# Altium PCB PCB.PcbDoc (continued)
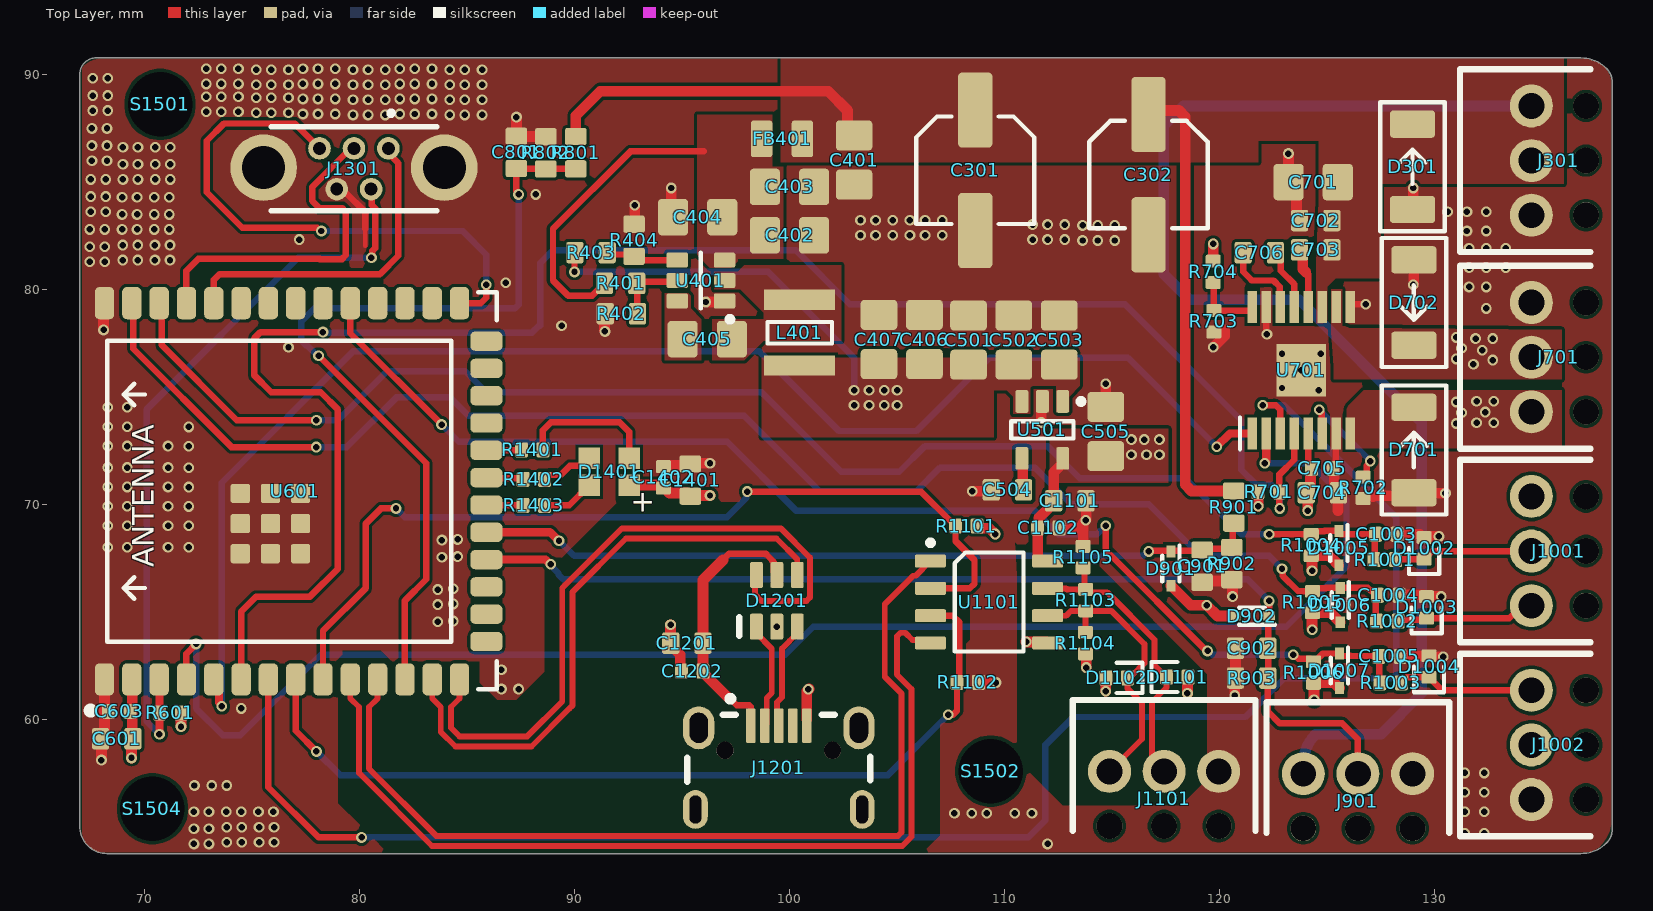
[diagram p0: Top Layer view]
## Part data
C301 C302: library part CAP_EL_NP_5MM, "Capacitor SMD Electrolytic Non-Polarised 5mm Diameter", Manufacturer=PANASONIC, Manufacturer Part Number=EEEFT1H220AR
C401 C402 C403 C406 C407 C701: library part CAP_0805, "Capacitor SMD 0805"
C404 C405: library part CAP_0805, "Capacitor SMD 0805", LCSC=C710457, Manufacturer="HUI JU", Manufacturer Part Number=NM0805B104K101CEDN, Distributor Link=www.lcsc.com
C501 C502: library part CAP_0805, "Capacitor SMD 0805", LCSC=C6119936, Manufacturer=HRE, Manufacturer Part Number=CGA0805X7R225K160MT, Distributor Link=www.lcsc.com
C503: library part CAP_0805, "Capacitor SMD 0805", LCSC=CC0805JRX7R7BB104, Manufacturer=YAGEO, Distributor Link=www.lcsc.com, Manufacturer Part Number=CC0805JRX7R7BB104
C504: library part CAP_0603, "Capacitor SMD 0603", LCSC=C519509, Manufacturer=YAGEO, Manufacturer Part Number=CC0603JRX7R7BB103, Distributor Link=www.lcsc.com
C505: library part CAP_0805, "Capacitor SMD 0805", LCSC=C2167756, Manufacturer="Murata Electronics", Manufacturer Part Number=GCM21BR71A106KE22K, Distributor Link=www.lcsc.com
C601 C704: library part CAP_0603, "Capacitor SMD 0603", LCSC=C59461, Manufacturer="Samsung Electro-Mechanics", Manufacturer Part Number=CL10A226MQ8NRNC, Distributor Link=www.lcsc.com
C603 C705: library part CAP_0402, "Capacitor SMD 0402", LCSC=C541406, Manufacturer=YAGEO, Manufacturer Part Number=CC0402KRX7R5BB104, Distributor Link=www.lcsc.com
C702 C703: library part CAP_0603, "Capacitor SMD 0603"
C706: library part CAP_0603, "Capacitor SMD 0603", LCSC=C21120, Manufacturer="Samsung Electro-Mechanics", Manufacturer Part Number=CL10A226MQ8NRNC, Distributor Link=www.lcsc.com
C801 C901 C902: library part CAP_0603, "Capacitor SMD 0603", LCSC=C696916, Manufacturer=CCTC, Manufacturer Part Number=TCC0603X7R104K101CT, Distributor Link=www.lcsc.com
C1003 C1004 C1005: library part CAP_0402, "Capacitor SMD 0402", LCSC=C189467, Manufacturer=YAGEO, Manufacturer Part Number=CC0402KRX7R7BB102, Distributor Link=www.lcsc.com
C1101 C1201 C1401: library part CAP_0603, "Capacitor SMD 0603", LCSC=C914769, Manufacturer=YAGEO, Manufacturer Part Number=CC0603KRX7R7BB225, Distributor Link=www.lcsc.com
C1102 C1202 C1402: library part CAP_0402, "Capacitor SMD 0402", LCSC=C541464, Manufacturer=YAGEO, Manufacturer Part Number=CC0402JRX7R7BB104, Distributor Link=www.lcsc.com
D301 D701 D702: library part D_SMA, "Diode SMD SMA (DO-214AA)", Manufacturer=Littelfuse, Manufacturer Part Number=SMBJ33CA
D901 D902 D1005 D1006 D1007: library part D_SCHOTTKY_SOD_523, "Diode Schottky SMD SOD-323", LCSC=C73150, Manufacturer=STMicroelectronics, Manufacturer Part Number=BAT41KFILM
D1002: library part D_TVS_0402, "Diode TVS / ESD 0402", LCSC=C711709, Manufacturer=BOURNS, Manufacturer Part Number=CG0402MLC-05LG
D1003 D1004 D1101 D1102: library part D_TVS_0402, "Diode TVS / ESD 0402"
D1201: "Low-Capacitance ESD Protection USB", Manufacturer=STMicroelectronics, Distributor Link=https://www.mouser.de/ProductDetail/STMicroelectronics/USBLC6-2SC6?qs=po45yt2pPpu%2FhNIlwQdTlg%3D%3D, Manufacturer Part Number=USBLC6-2SC6
D1401: "RGB LED Common Anode SMD Diffused 0805 Top View", Manufacturer=Wurth, Distributor Link=https://www.mouser.de/ProductDetail/Wurth-Elektronik/150080M153000?qs=5aG0NVq1C4wI5cZ2wabu5A%3D%3D, Manufacturer Part Number=150080M153000
FB401: library part FB_0805, "Ferrite Bead SMD 0805", LCSC=C88990, Manufacturer="Murata Electronics", Manufacturer Part Number=BLM21AG121SN1D, Distributor Link=www.lcsc.com
J301 J701 J901 J1001 J1002 J1101: "Screw Terminal Block 3 Positions 2.54mm", Manufacturer=Phoenix, Distributor Link=https://www.mouser.de/ProductDetail/Phoenix-Contact/1725669?qs=A%2FKWGUWTCZjmkTL0Oe91ew%3D%3D, Manufacturer Part Number=1725669
J1201: "USB Connector Type Micro B 2.0 SMD", Manufacturer=Wurth, Distributor Link=https://www.mouser.de/ProductDetail/Wurth-Elektronik/629105150521?qs=a9WhcLg8qCzXiH7kZP8GRQ%3D%3D, Manufacturer Part Number=629105150521
J1301: "USB Connectors WR-COM Type B 5Pin Vert Feml Mini"
L401: "Inductor SXN SMNR4020 Series 4x4x2mm", LCSC=C467062, Manufacturer=SXN, Manufacturer Part Number=SMNR4020-5R6MT, Distributor Link=www.lcsc.com
R401 R902 R903: library part RES_0603, "Resistor SMD 0603", LCSC=C185372, Manufacturer=YAGEO, Manufacturer Part Number=RC0603FR-07140KL, Distributor Link=www.lcsc.com
R402 R404: library part RES_0603, "Resistor SMD 0603", LCSC=C23162, Manufacturer="UNI-ROYAL(Uniroyal Elec)", Manufacturer Part Number=0603WAF4701T5E, Distributor Link=www.lcsc.com
R403: library part RES_0603, "Resistor SMD 0603", LCSC=C23198, Manufacturer="UNI-ROYAL(Uniroyal Elec)", Manufacturer Part Number=0603WAF5232T5E, Distributor Link=www.lcsc.com
R601 R701 R703 R704 R1004 R1005 R1006 R1101 R1102: library part RES_0402, "Resistor SMD 0402", LCSC=C427247, Manufacturer=PANASONIC, Manufacturer Part Number=ERJPA2F1002X, Distributor Link=www.lcsc.com
R702 R1401 R1402 R1403: library part RES_0402, "Resistor SMD 0402", LCSC=C409028, Manufacturer=PANASONIC, Manufacturer Part Number=ERJPA2F1002X, Distributor Link=www.lcsc.com
R801: library part RES_0603, "Resistor SMD 0603", LCSC=C161805, Manufacturer="Vishay Intertech", Manufacturer Part Number=MCT06030C1003FP500, Distributor Link=www.lcsc.com
R802: library part RES_0603, "Resistor SMD 0603", LCSC=C844758, Manufacturer="Vishay Intertech", Manufacturer Part Number=CRCW060322K0FKEA, Distributor Link=www.lcsc.com
R901: library part RES_0603, "Resistor SMD 0603", LCSC=C511055, Manufacturer="Vishay Intertech", Manufacturer Part Number=NTCS0603E3473FHT, Distributor Link=www.lcsc.com
R1001 R1002 R1003: library part RES_0402, "Resistor SMD 0402", LCSC=C427230, Manufacturer=PANASONIC, Manufacturer Part Number=ERJPA2F22R0X, Distributor Link=www.lcsc.com
R1103: library part RES_0402, "Resistor SMD 0402", LCSC=C412974, Manufacturer=PANASONIC, Manufacturer Part Number=ERJ2GEJ121X, Distributor Link=www.lcsc.com
R1104 R1105: library part RES_0402, "Resistor SMD 0402", LCSC=C412983, Manufacturer=PANASONIC, Manufacturer Part Number=ERJ2GEJ391X, Distributor Link=www.lcsc.com
U401: "4.2V TO 18V INPUT, 2.5A LOW IQ SYNCHRONOUS BUCK CONVERTER", Manufacturer="Diodes Incorporated", Distributor Link=https://www.mouser.de/ProductDetail/Diodes-Incorporated/AP62250WU-7?qs=7MVldsJ5Uax1PUc8sdeimQ%3D%3D, Manufacturer Part Number=AP62250WU-7
U501: "500mA +3.3V Low-Noise LDO Voltage Regulator", Manufacturer=MaxLinear, Manufacturer Part Number=SPX3819M5-L-3-3/TR
U601: "2.4 GHz Wi-Fi (802.11 b/g/n) and Bluetooth 5 (LE) Module ESP32-S3, 4MB Flash, on-board PCB antenna)", Manufacturer=Espressif, Distributor Link=https://www.mouser.de/ProductDetail/Espressif-Systems/ESP32-S3-WROOM-1-N4?qs=Li%252BoUPsLEnsO%2FkiJOUK0FQ%3D%3D, Manufacturer Part Number=ESP32-S3-WROOM-1-N4
U701: "DRV8876 H-Bridge Motor Driver With Integrated Current Sense and Regulation", LCSC=C575551, Manufacturer="Texas Instruments"
U1101: "3.3V Low Power RS-485 / RS-422 Transceiver SOIC-8", Manufacturer=MaxLinear, Manufacturer Part Number=SP3494CN-L/TR

## Via types
v1: diameter 0.5, hole 0.3, Top Layer to Bottom Layer, tented both sides, 360 vias

## Nets (pads, with @x,y where several pads share a name; then routed paths per layer and width w, separated by ;. In a path a pad name is that pad's centre, name@x,y a point inside that pad or via, vN(x,y) a via of type N, cw(c..) or ccw(c..) an arc to the next point about the centre after c; other vN are vias at no path point)
+3V3: C505.1 C601.2 C603.2 C704.2 C705.2 C1101.2 C1102.2 C1401.2 C1402.2 D901.K D902.K D1005.K D1006.K D1007.K D1401.4 J1002.2 R601.2 R701.2 R704.2 R1004.2 R1005.2 R1006.2 R1101.2 R1104.2 U501.5 U601.2 U701.5 U1101.8 | length 92.1
  Top Layer w0.3: U701.5 124.118,71.872 124.227,71.763 C705.2@124.227,71.613
  Top Layer w0.5: v1(69.4,58.2) 69.4,59.028 C601.2 69.438,59.112 69.438,61.823 U601.2 ; v1(71.7,59.654) 71.7,60.28 R601.2 ; D1401.4 93.945,70.885 94.085,70.745 C1402.2 94.185,70.745 94.412,70.518 95.236,70.518 C1401.2 95.418,70.4 v1(96.3,70.4) ; R1101.2 108.717,68.932 108.767,68.882 109.291,68.882 v1(109.567,68.605) ; U1101.8 111.587,67.352 111.537,67.402 C1102.2 111.587,68.948 111.587,69.355 112.283,70.051 C1101.2 112.283,71.478 112.704,71.899 U501.5 ; R1104.2 113.8,62.995 v1(113.8,62.4) ; D901.K 117.753,66.201 118.654,65.3 v1(119.4,65.3) 119.9,64.8 120.689,64.8 D902.K ; R704.2 v1(119.7,82.1) ; R701.2 121.8,70.553 v1(121.8,69.9) ; v1(124.1,69.7) 124.1,70.456 C704.2 124.027,70.629 124.227,70.829 C705.2@124.227,71.613 ; v1@124.3,64.2 124.3,64.924 R1005.2 125.165,64.947 125.568,64.544 125.568,64.529 125.593,64.504 D1006.K ; v1(124.3,66.9) 124.3,67.556 R1004.2 125.101,67.597 125.394,67.304 125.394,67.289 125.529,67.154 D1005.K ; v1(124.392,60.9) 124.392,61.642 R1006.2 124.398,61.7 125.311,61.7 125.557,61.454 D1007.K
  Int2 (PWR) w0.5: 81,63 81,79.75 87.25,86 118.25,86 119.7,84.55 v1(119.7,82.1)
  other v1: 124.302,64.164 115.9,72.3 116.6,72.3 117.2,72.3 115.9,73 116.5,73 117.2,73
+5V: C406.2 C407.2 C501.1 C502.1 C503.1 J1001.3 L401.2 R403.2 U501.1 U501.3 | length 17.8
  Top Layer w0.3: v1(90,80.8) 90,81.676 R403.2
  Top Layer w0.5: C503.1 C503.1@112.832,76.77
  Top Layer w0.8: C503.1 C503.1@112.759,76.697
  Bottom Layer w0.3: v1(90,80.8) 99,80.8 103,76.8 v1(103,75.3)
  other v1: 103,74.6 103.7,74.6 104.4,74.6 105,74.6 103.7,75.3 104.4,75.3 105,75.3
+5V_USB: C1201.2 C1202.2 D1201.5 J1201.1 | length 12.9
  Top Layer w0.3: 96.9,67.4 97.2,67.7 98.883,67.7 99.059,67.524 99.225,67.358 99.225,67.329 99.259,67.295 99.259,66.853 D1201.5 ; 97.2,61 97.55,60.65 98.125,60.65 98.2,60.575 J1201.1@98.2,60.287 ; J1201.1 J1201.1@98.2,60.287 ; J1201.1@98.2,60 J1201.1@98.2,60.287
  Top Layer w0.5: C1202.2@95.968,62.18 97.148,61 97.2,61 ; C1202.2 95.972,62.235 95.972,63.533 C1201.2 95.976,66.476 96.9,67.4
+VIN: C301.1 C302.1 C401.2 C701.2 C702.2 C703.2 D301.K FB401.1 J301.2 J301.3 J901.1 R801.2 R901.2 U701.11 | length 96.9
  Top Layer w0.5: R801.2 90.06,88.06 91.2,89.2 101.8,89.2 102.7,88.3 102.7,87.443 C401.2 ; C302.1@116.686,88.3 118.107,88.3 118.4,88.007 118.4,70.907 118.693,70.614 R901.2
  Top Layer w1: C701.2@125.294,84.777 C701.2
  Bottom Layer w0.5: J901.1 123.89,57.91 cw(c125.856,57.91) 124.466,59.3 127.5,59.3 129.4,61.2 129.4,61.596 129.4,73.8 123.7,79.5 118.6,79.5 117.4,80.7 117.4,87.6 118.315,88.515 J301.3
+VIN_FILT: C402.2 C403.2 C404.2 FB401.2 R401.2 U401.3 | length 13.9
  Top Layer w0.3: R401.2 91.392,80.167 91.142,79.917 91.042,79.917 90.825,79.7 89.7,79.7 89,80.4 89,82.8 92.6,86.4 96,86.4
BUCK_BOOT: C405.2 U401.6
BUCK_EN: R401.1 R402.2 U401.5 | length 3.4
  Top Layer w0.3: R402.2 92.912,78.872 92.912,80.248 R401.1 92.956,80.332 94.711,80.332 U401.5
BUCK_FB: R403.1 R404.2 U401.4 | length 3.4
  Top Layer w0.3: R403.1 91.607,81.607 92.681,81.607 92.942,81.346 U401.4
BUCK_SW: C405.1 L401.1 U401.2
GND: C301.2 C302.2 C401.1 C402.1 C403.1 C404.1 C406.1 C407.1 C501.2 C502.2 C503.2 C504.1 C505.2 C601.1 C603.1 C701.1 C702.1 C704.1 C705.1 C801.1 C901.1 C902.1 C1003.1 C1004.1 C1005.1 C1101.1 C1102.1 C1201.1 C1202.1 C1401.1 C1402.1 D301.A D701.A D702.A D1002.A D1003.A D1004.A D1101.A D1102.A D1201.2 J301.1 J701.3 J901.3 J1002.1 J1101.3 J1201.5 J1301.4 J1301.6 R402.1 R404.1 R702.1 R703.1 R802.1 R902.1 R903.1 R1102.1 R1105.1 U401.1 U501.2 U601.1 U601.40 U601.EP U701.7 U701.9 U701.15 U701.17 U1101.5 | length 56.2
  Top Layer w0.2: 80.27,82.014 80.27,82.814
  Top Layer w0.3: J1301.4 79.087,84.503 79.344,84.503 80.241,83.606 80.274,83.573 80.274,82.818 80.27,82.814 ; U701.15 122.168,77.932 v1(122.2,77.9) ; C705.1 125.397,71.783 125.397,73.268 U701.7 ; U701.9 126.068,79.225 126.143,79.3 v1(126.8,79.3)
  Top Layer w0.5: C601.1 68,59.05 v1(68,58.1) ; C601.1@67.961,59.189 68.145,59.373 U601.1 ; v1(68.1,78.1) 68.1,79.301 U601.40 ; v1(87.3,88) 87.298,87.998 C801.1 87.31,87.096 88.653,87.096 R802.1 ; v1@91.4,78.1 91.4,78.822 R402.1 ; R404.1 92.8,83.05 v1(92.8,83.9) ; C1402.1 94.185,71.795 95.313,71.795 C1401.1 95.418,71.9 v1(96.3,71.9) ; v1(94.467,64.386) 94.467,63.547 C1201.1 94.476,63.438 94.918,62.996 94.918,62.28 C1202.1 ; v1(94.5,84.7) 94.5,83.429 C404.1 ; v1(96.1,79.4) 96.93,79.4 U401.1 ; J1201.5@100.8,60 100.8,61.3 v1@100.9,61.4 ; v1(108.5,70.6) 109.317,70.6 C504.1 ; R1102.1 109.585,61.715 v1(109.6,61.7) ; v1@111,63.6 111.008,63.592 111.951,63.592 U1101.5 ; v1(111.7,73.8) 111.704,73.804 111.704,74.724 U501.2 ; C1102.1 113.398,68.898 113.4,68.9 ; R1105.1 113.653,69.131 v1(113.778,69.256) ; C1101.1 113.8,70.134 v1@113.8,69.3 ; v1(114.7,61.3) 114.7,61.904 D1102.A ; v1(114.7,75.6) 114.7,74.526 C505.2 ; v1(118.5,61.2) 118.5,61.926 D1101.A ; C901.1 119.245,66.426 120.507,66.426 R902.1 120.6,66.455 v1@120.6,65.8 ; v1(119.7,77.3) 120.234,77.834 120.234,78.094 ; v1(120.7,61.1) 120.7,61.877 R903.1 C902.1 ; v1(123.2,86.3) 123.208,86.292 C701.1 123.569,84.616 123.569,83.338 C702.1 ; C705.1 125.327,71.613 125.327,70.829 125.527,70.629 C704.1 125.5,70.502 125.5,69.7 ; 127.118,70.344 127.168,70.394 128.894,70.394 D701.A 129.064,70.5 v1(130.5,70.5) ; C1004.1@128.197,65.786 129.483,65.786 129.572,65.697 D1003.A 129.625,65.7 v1(130.3,65.7) ; C1003.1 129.305,68.6 129.458,68.447 D1002.A 129.558,68.497 v1(130.197,68.497) v1@130.2,68.5 ; C1005.1 128.41,62.934 129.723,62.934 D1004.A 129.783,62.9 v1(130.4,62.9) ; D301.A 129,83.729 v1(129,84.7) ; v1(129,80.2) 129.032,80.232 D702.A
  other v1: 72.3,54.2 73,54.2 112,54.2 73.831,54.276 74.531,54.276 75.331,54.276 76.031,54.276 131.4,54.7 132.3,54.7 72.3,54.9 73,54.9 73.831,54.976 74.531,54.976 75.331,54.976 76.031,54.976 107.669,55.624 108.469,55.624 109.169,55.624 110.469,55.624 111.269,55.624 72.3,55.7 73,55.7 73.8,55.7 74.5,55.7 75.3,55.7 76,55.7 131.4,55.7 132.3,55.7 131.4,56.6 132.3,56.6 72.327,56.916 73.127,56.916 73.827,56.916 131.4,57.5 132.3,57.5 74.5,60.5 86.6,61.4 87.4,61.4 100.867,61.386 86.6,62.3 111.004,63.596 99.409,64.303 83.637,64.529 84.361,64.56 83.637,65.329 84.361,65.36 120.6,65.7 83.637,66.029 84.361,66.06 83.837,67.529 84.561,67.56 68.3,68 69.2,68 71.1,68 72.063,67.991 83.837,68.329 84.561,68.36 72.063,68.991 68.3,69 69.2,69 71.1,69 68.3,69.9 69.2,69.9 71.1,69.9 72.063,69.891 68.3,70.8 69.2,70.8 71.1,70.8 72.063,70.791 72.063,71.691 68.3,71.7 69.2,71.7 71.1,71.7 68.3,72.7 69.2,72.7 71.1,72.7 72.063,72.691 72.063,73.591 68.3,73.6 69.2,73.6 68.3,74.5 69.2,74.5 124.6,75.3 122.9,75.4 123.793,76.227 122.9,77 124.7,77 76.7,77.3 91.414,78.032 89.4,78.3 132.4,79.1 131.6,80.1 132.4,80.1 86.8,80.3 131.6,81 132.4,81 133.3,81 67.459,81.272 68.159,81.272 68.99,81.348 69.69,81.348 70.49,81.348 71.19,81.348 131.6,81.9 132.4,81.9 133.3,81.9 67.459,81.972 68.159,81.972 68.99,82.048 69.69,82.048 70.49,82.048 71.19,82.048 113.628,82.259 114.328,82.259 115.128,82.259 77.2,82.3 111.3,82.3 112,82.3 112.8,82.3 103.3,82.5 104,82.5 104.8,82.5 105.6,82.5 106.3,82.5 107.1,82.5 131.5,82.7 132.4,82.7 67.459,82.772 68.159,82.772 68.959,82.772 69.659,82.772 70.459,82.772 71.159,82.772 113.628,82.959 114.328,82.959 115.128,82.959 111.3,83 112,83 112.8,83 103.3,83.2 104,83.2 104.8,83.2 105.6,83.2 106.3,83.2 107.1,83.2 68.959,83.472 69.659,83.472 70.459,83.472 71.159,83.472 67.5,83.6 68.2,83.6 130.6,83.6 131.5,83.6 132.4,83.6 68.959,84.272 69.659,84.272 70.459,84.272 71.159,84.272 67.5,84.3 68.2,84.3 88.2,84.4 67.5,85.1 68.2,85.1 69,85.1 69.7,85.1 70.5,85.1 71.2,85.1 69,85.8 69.7,85.8 70.5,85.8 71.2,85.8 67.559,85.972 68.259,85.972 69,86.6 69.7,86.6 70.5,86.6 71.2,86.6 67.559,86.672 68.259,86.672 67.559,87.472 68.259,87.472 79.7,88.1 80.4,88.1 81.2,88.1 84.2,88.1 84.9,88.1 85.7,88.1 77.372,88.141 78.072,88.141 78.872,88.141 81.872,88.141 82.572,88.141 83.372,88.141 75.2,88.2 75.9,88.2 76.7,88.2 72.872,88.241 73.572,88.241 74.372,88.241 67.6,88.3 68.3,88.3 79.7,88.8 80.4,88.8 81.2,88.8 84.2,88.8 84.9,88.8 85.7,88.8 77.372,88.841 78.072,88.841 78.872,88.841 81.872,88.841 82.572,88.841 83.372,88.841 75.2,88.9 75.9,88.9 76.7,88.9 72.872,88.941 73.572,88.941 74.372,88.941 67.6,89 68.3,89 75.2,89.5 75.9,89.5 76.7,89.5 79.7,89.5 80.4,89.5 81.2,89.5 84.2,89.5 84.9,89.5 85.7,89.5 72.872,89.541 73.572,89.541 74.372,89.541 77.372,89.541 78.072,89.541 78.872,89.541 81.872,89.541 82.572,89.541 83.372,89.541 67.6,89.8 68.3,89.8 75.2,90.2 75.9,90.2 76.7,90.2 79.7,90.2 80.4,90.2 81.2,90.2 84.2,90.2 84.9,90.2 85.7,90.2 72.872,90.241 73.572,90.241 74.372,90.241 77.372,90.241 78.072,90.241 78.872,90.241 81.872,90.241 82.572,90.241 83.372,90.241
HAL_A: D1002.K J1001.2 R1001.2 | length 6.5
  Top Layer w0.3: R1001.2 128.194,67.434 129.495,67.434 D1002.K 129.558,67.447 129.708,67.597 129.708,67.642 129.884,67.818 J1001.2
HAL_B: D1003.K J1001.1 R1002.2 | length 6.5
  Top Layer w0.3: R1002.2 128.373,64.627 129.73,64.627 129.8,64.697 133.471,64.697 134.052,65.278 J1001.1
HAL_C: D1004.K J1002.3 R1003.2 | length 6.5
  Top Layer w0.3: R1003.2 128.453,61.742 128.603,61.892 128.653,61.892 128.708,61.947 129.786,61.947 129.936,61.797 129.936,61.747 130.342,61.341 J1002.3
HAL_MCU_A: C1003.2 D1005.A R1001.1 R1004.1 U601.38 | length 66.3
  Top Layer w0.3: U601.38 70.8,79.231 70.8,77.4 74.3,73.9 v1(78,73.9) ; v1(122.3,68.6) 122.301,68.599 124.258,68.599 R1004.1 124.409,68.747 124.877,68.747 124.884,68.754 D1005.A ; D1005.A@125.544,68.689 125.633,68.6 C1003.2 127.213,68.567 127.213,67.453 R1001.1
  Bottom Layer w0.3: v1(78,73.9) 79,73.9 81.277,76.177 84.923,76.177 85.9,75.2 98.7,75.2 102.4,71.5 105.1,71.5 106.3,72.7 112,72.7 113.5,71.2 118.4,71.2 121,68.6 v1(122.3,68.6)
HAL_MCU_B: C1004.2 D1006.A R1002.1 R1005.1 U601.39 | length 69
  Top Layer w0.3: U601.39 69.478,79.283 69.478,77.222 74.045,72.655 v1(77.986,72.655) ; v1(122.9,67) 122.938,66.962 122.938,66.662 123.653,65.947 R1005.1 124.473,66.097 124.941,66.097 124.948,66.104 D1006.A 126.879,66.104 126.997,65.986 127.047,65.986 127.197,65.836 127.197,65.786 127.25,65.733 127.25,64.609 R1002.1
  Bottom Layer w0.3: v1(77.986,72.655) 79.415,72.655 81.721,74.961 84.227,74.961 85.087,74.1 97.9,74.1 101.4,70.6 105.9,70.6 107,71.7 111.4,71.7 113.1,70 116.7,70 119.1,67.6 122.3,67.6 v1(122.9,67)
HAL_MCU_C: C1005.2 D1007.A R1003.1 R1006.1 U601.31 | length 58
  Top Layer w0.3: U601.31 79.575,77.945 v1(83.82,73.7) ; v1(114.7,69) 114.7,67.858 119.385,63.173 v1(119.439,63.173) ; v1(123.42,63) 123.475,63 123.657,62.818 124.216,62.818 R1006.1 ; R1006.1@124.416,62.668 124.802,63.054 D1007.A ; D1007.A@125.572,62.998 125.632,62.938 126.088,62.938 ; 126.072,62.954 126.088,62.938 ; R1003.1 127.425,61.72 127.425,62.894 C1005.2 127.381,62.938 126.088,62.938
  Bottom Layer w0.3: v1(83.82,73.7) 84.62,72.9 97.1,72.9 100.3,69.7 111.4,69.7 112.5,68.6 114.3,68.6 v1(114.7,69) ; v1(119.439,63.173) 119.493,63.173 119.667,63 v1(123.42,63)
LDO_BYP: C504.2 U501.4 | length 1.5
  Top Layer w0.5: U501.4 110.842,72.085 110.842,70.702 C504.2
MCU_PROG_ENABLE: J1301.2 R601.1 U601.3 | length 34.6
  Top Layer w0.3: J1301.2 80.58,84.61 80.58,83.903 80.724,83.759 80.724,81.902 80.596,81.774 80.596,81.496 v1(80.557,81.457)
  Top Layer w0.381: U601.3 70.698,61.833 70.698,60.304 R601.1 70.706,60.286 70.706,59.306 v1(70.7,59.3)
  Bottom Layer w0.3: v1(70.7,59.3) 70.7,59.302 70.1,59.902 70.1,74.4 77.157,81.457 v1(80.557,81.457)
MCU_PROG_GPIO0: J1301.5 U601.27 | length 26
  Top Layer w0.3: J1301.5 76.99,87.7 73.7,87.7 72.9,86.9 72.9,84.5 74.55,82.85 78.028,82.85 78.178,82.7 v1(78.233,82.7) ; U601.27 85.646,79.346 85.9,79.6 v1(85.9,80.2)
  Bottom Layer w0.3: v1(78.233,82.7) 84.8,82.7 85.9,81.6 v1(85.9,80.2)
MCU_PROG_RX: J1301.1 U601.36 | length 15.3
  Top Layer w0.3: U601.36 73.225,80.425 73.5,80.7 79.6,80.7 79.604,80.696 80.95,80.696 81.8,81.546 81.8,85.86 81.343,86.316 J1301.1
MCU_PROG_TX: J1301.3 U601.37 | length 16.4
  Top Layer w0.3: U601.37 71.955,80.855 72.5,81.4 77.5,81.4 78.146,81.4 78.15,81.396 79.191,81.396 79.367,81.572 79.367,83.591 79.191,83.767 78.133,83.767 77.8,84.1 77.8,84.746 79.6,86.546 J1301.3
MCU_RGB_BLUE: R1401.1 U601.22 | length 1.7
  Top Layer w0.3: U601.22@85.925,72.521 U601.22 85.914,72.51 87.523,72.51 R1401.1
MCU_RGB_GREEN: R1402.1 U601.21 | length 1.7
  Top Layer w0.3: U601.21 85.943,71.193 87.567,71.193 R1402.1
MCU_RGB_RED: R1403.1 U601.20 | length 1.7
  Top Layer w0.3: U601.20@85.934,69.99 U601.20 85.915,69.951 87.595,69.951 R1403.1
MOSFET_TEMP: C901.2 D901.A R901.1 R902.2 U601.19 | length 36.4
  Top Layer w0.3: v1(116.7,67.8) 116.732,67.832 117.738,67.832 119.152,67.832 C901.2 119.245,67.926 120.507,67.926 R902.2 120.613,68.032 120.613,69.069 R901.1
  Top Layer w0.381: U601.19 85.91,68.696 88.852,68.696 89.247,68.3 v1(89.28,68.3)
  Bottom Layer w0.3: v1(89.28,68.3) 89.98,67.6 116.446,67.6 116.646,67.8 v1(116.7,67.8)
MOTOR_CPH: C706.2 U701.13 | length 2.9
  Top Layer w0.3: C706.2 122.844,81.441 122.844,80.856 123.468,80.232 U701.13
MOTOR_CPL: C706.1 U701.14 | length 3.8
  Top Layer w0.3: C706.1 121.094,80.806 121.401,80.499 121.5,80.4 122.5,80.4 122.797,80.103 122.797,79.186 U701.14
MOTOR_IN1: U601.5 U701.1 | length 67.2
  Top Layer w0.381: U601.5 73.463,61.608 73.463,60.769 73.6,60.632 v1(73.6,60.6) ; v1(119.861,72.673) 120.476,73.289 U701.1
  Bottom Layer w0.3: v1(73.6,60.6) 73.6,71 79.7,77.1 98.6,77.1 102.3,73.4 105.9,73.4 109.3,76.8 115.734,76.8 v1(119.861,72.673)
MOTOR_IN2: U601.4 U701.2 | length 71.1
  Top Layer w0.3: U601.4 71.955,63.046 72.4,63.491 v1(72.4,63.5)
  Top Layer w0.381: v1(122.1,71.9) 122.168,71.968 U701.2
  Bottom Layer w0.3: v1(72.4,63.5) 72.4,60.5 73.65,59.25 74.45,59.25 78.2,63 99.8,63 101.1,64.3 123.1,64.3 125.9,67.1 125.9,70.2 124.2,71.9 v1(122.1,71.9)
MOTOR_IPROPI: R702.2 U701.6 | length 5.4
  Top Layer w0.3: v1@124.6,74.4 124.747,74.253 124.747,73.31 U701.6 ; R702.2 126.698,71.254 126.848,71.404 126.848,71.793 127,71.946 v1(127,72)
  Bottom Layer w0.3: v1(124.636,74.389) 124.636,74.376 127,72.013 v1(127,72)
MOTOR_NFAULT: R701.1 U601.6 U701.4 | length 83.8
  Top Layer w0.3: U601.6 74.495,64.995 75.2,65.7 77.7,65.7 79,67 79,74.4 78.2,75.2 75.9,75.2 75.1,76 75.1,77.7 75.4,78 v1(78.3,78) ; v1(122.8,69.8) 122.779,69.821 R701.1 122.779,71.379 123.468,72.068 U701.4
  Bottom Layer w0.3: v1(78.3,78) 78.322,77.978 88.024,77.978 88.346,78.3 88.4,78.3 88.4,81.2 89,81.8 100.3,81.8 102.8,79.3 115.6,79.3 121,73.9 121,71.6 121.4,71.2 121.425,71.2 121.733,70.892 122.408,70.892 122.8,70.5 v1(122.8,69.8)
MOTOR_NSLEEP: U601.7 U701.3 | length 81.3
  Top Layer w0.3: U601.7 75.765,56.835 78.1,54.5 v1(80.1,54.5) ; v1(122,74.6) 122.464,74.6 122.471,74.593 122.607,74.593 122.818,74.382 U701.3
  Bottom Layer w0.3: v1(80.1,54.5) 111.1,54.5 111.9,55.3 111.9,58.8 113.2,60.1 121.2,60.1 123,61.9 128.036,61.9 128.212,62.076 128.212,69.376 126.454,71.134 126.454,71.146 123,74.6 v1(122,74.6)
MOTOR_OUT1: D701.K J701.1 U701.8
  other v1: 131,73.75 131.95,73.78 132.75,73.78 131.25,74.25 132.35,74.28 131,74.75 131.95,74.78 132.75,74.78
MOTOR_OUT2: D702.K J701.2 U701.10
  other v1: 131.8,76.5 132.7,76.7 131,76.75 132.209,77.15 131.25,77.25 131.9,77.7 132.7,77.7 131,77.75
MOTOR_PMODE: R703.2 R704.1 U701.16 | length 3.3
  Top Layer w0.3: R704.1@119.6,80.3 119.73,80.17 R703.2 121.443,79.001 121.518,79.076 U701.16
MOTOR_TEMP: C902.2 D902.A J901.2 R903.2 U601.18 | length 48.8
  Top Layer w0.3: D902.A 122.269,64.756 122.269,61.946 R903.2 122.237,60.363 122.8,59.8 125.7,59.8 126.43,59.07 J901.2 ; D902.A v1(122.3,65.5)
  Top Layer w0.381: U601.18 88.647,67.421 88.868,67.2 v1(88.9,67.2)
  Bottom Layer w0.3: v1(88.9,67.2) 88.9,67.146 89.255,66.791 89.255,66.712 89.467,66.5 121.3,66.5 v1(122.3,65.5)
NetC703_1: C703.1 U701.12 | length 2.8
  Top Layer w0.3: 124,80.8 124.118,80.682 U701.12
  Top Layer w0.5: C703.1 123.869,81.672 123.869,80.931 124,80.8
RGB_BLUE: D1401.3 R1401.2 | length 6.5
  Top Layer w0.3: R1401.2 88.532,73.432 88.9,73.8 92.1,73.8 92.543,73.357 D1401.3
RGB_GREEN: D1401.2 R1402.2 | length 2.5
  Top Layer w0.3: R1402.2 88.605,71.205 88.755,71.355 89.355,71.355 89.789,71.789 90.347,71.789 D1401.2
RGB_RED: D1401.1 R1403.2 | length 2.5
  Top Layer w0.3: R1403.2 89.749,69.941 D1401.1
RS485_D_N: D1101.K J1101.2 R1103.1 R1105.2 U1101.7 | length 13.9
  Top Layer w0.271: U1101.7 112.861,66.082 112.906,66.037 R1103.1 ; R1105.2 113.712,66.978 113.712,66.096 R1103.1 ; J1101.2 116.86,58.127 116.86,60.801 117.533,61.474 D1101.K 116.974,62.518 116.974,63.696 114.768,65.902 113.906,65.902 R1103.1
RS485_D_P: D1102.K J1101.1 R1103.2 R1104.1 U1101.6 | length 13.5
  Top Layer w0.271: U1101.6 112.861,64.812 113.086,65.037 R1103.2 ; R1104.1 113.764,64.043 113.764,65.031 R1103.2 ; J1101.1 116.386,59.079 116.386,60.759 115.713,61.432 D1102.K 115.848,62.052 115.952,62.052 116.5,62.6 116.5,63.5 114.963,65.037 R1103.2
RS485_DE: R1102.2 U601.8 U1101.3 | length 40.9
  Top Layer w0.3: U601.8 77.035,59.465 v1(78,58.5) ; U1101.3 107.588,64.812 107.9,64.5 107.9,61.828 R1102.2 107.787,60.387 107.6,60.2 v1@107.4,60.2
  Bottom Layer w0.3: v1(78,58.5) 79.1,57.4 104.58,57.4 v1(107.385,60.205)
RS485_DP_N: U601.11 U1101.1 | length 44.3
  Top Layer w0.271: U601.11 80.845,60.961 80.447,60.563 80.447,57.7 83.573,54.574 105.041,54.574 105.2,54.732 105.2,61.2 104.426,61.974 104.426,65.342 105.752,66.667 105.866,66.667 U1101.1
RS485_DP_P: U601.10 U1101.4 | length 43.2
  Top Layer w0.271: U601.10 79.575,60.961 79.973,60.563 79.973,57.504 83.377,54.1 105.238,54.1 105.674,54.536 105.674,61.396 105,62.07 105,63.859 105.159,64.017 105.383,64.017 105.723,63.677 106.416,63.677 U1101.4
RS485_NRE: R1101.1 U601.9 U1101.2 | length 42.5
  Top Layer w0.3: U601.9 78.305,64.105 80.3,66.1 80.3,69.1 81,69.8 v1(81.7,69.8) ; v1(98.032,70.581) 106.118,70.581 107.517,69.182 107.567,69.182 107.717,69.032 R1101.1 107.717,68.283 108.6,67.4 108.6,66.3 108.382,66.082 U1101.2
  Bottom Layer w0.3: v1(81.7,69.8) 82.1,69.4 97.1,69.4 97.994,70.294 97.994,70.543 v1(98.032,70.581)
USB_D_N: D1201.1 J1201.2 | length 5
  Top Layer w0.271: D1201.1 98.459,64.003 98.824,63.638 98.824,63.629 99.172,63.28 99.172,61.216 98.938,60.981 98.938,59.788 J1201.2
USB_D_P: D1201.3 J1201.3 | length 4.7
  Top Layer w0.271: J1201.3@99.5,60 99.412,60.088 99.412,60.785 99.646,61.019 99.646,63.28 99.994,63.629 99.994,63.638 100.359,64.003 D1201.3
USB_FS_D_N: D1201.6 U601.14 | length 32.4
  Top Layer w0.271: U601.14 84.655,60.961 84.257,60.563 84.257,59.6 84.657,59.2 87.8,59.2 89.426,60.826 89.426,66.096 89.565,66.235 92.204,68.874 99.594,68.874 100.944,67.523 100.944,65.659 100.786,65.5 98.7,65.5 98.4,65.8 98.4,66.644 D1201.6
USB_FS_D_P: D1201.4 U601.13 | length 27.7
  Top Layer w0.271: U601.13 83.385,60.961 83.783,60.563 83.783,59.404 84.461,58.726 87.996,58.726 89.761,60.491 89.9,60.63 89.9,65.9 92.4,68.4 99.397,68.4 100.359,67.438 D1201.4
VSENSE_IN: C801.2 R801.1 R802.2 U601.12 | length 39.1
  Top Layer w0.3: v1(78.1,76.9) 83.1,71.9 83.1,66.5 82.115,65.515 U601.12 ; v1(87.4,84.4) 87.4,84.454 87.298,84.556 C801.2 87.306,85.6 90.052,85.6 R801.1
  Bottom Layer w0.3: v1(78.1,76.9) 78.046,76.9 77.583,77.363 77.537,77.363 77.3,77.6 77.3,78.5 77.9,79.1 87.224,79.1 87.4,79.276 v1(87.4,84.4)
pads on no net: J301.MH J701.MH J901.MH J1001.MH J1002.MH J1101.MH J1201.4 J1201.SH S1501.x S1502.x S1504.x U601.15 U601.16 U601.17 U601.23 U601.24 U601.25 U601.26 U601.28 U601.29 U601.30 U601.32 U601.33 U601.34 U601.35

## Polygon pours and split planes (outlines as drawn)
GND on Top Layer "GND_L01_P040" (solid, pour order 40): 68,90.7 ccw(c68,89.493) 67.146,90.346 67.1,90.3 67.1,54.824 ccw(c68.124,54.824) 67.4,54.1 ccw(c68.124,54.824) 68.124,53.8 136.976,53.8 ccw(c136.976,54.824) 137.7,54.1 ccw(c136.493,55.307) 138.2,55.307 138.2,89.576 ccw(c137.176,89.576) 137.9,90.3 ccw(c136.934,89.334) 136.934,90.7 136.8,90.7
+VIN on Top Layer "+VIN_L01_P039" (solid, pour order 39): 125,78.5 125,80.1 125.4,80.5 127.5,80.5 127.5,84.1 124.6,84.1 124.5,81.2 124.5,80.2 124.5,78.4 124.915,78.4 125.038,78.278
MOTOR_OUT2 on Top Layer "MOTOR_OUT2_L01_P034" (solid, pour order 34): 125.2,77.987 125.3,76.4 125.3,75.8 135.9,75.8 135.9,78.1 126,78.2 125.8,78.3 125.8,80 125.2,80
MOTOR_OUT1 on Top Layer "MOTOR_OUT1_L01_P033" (solid, pour order 33): 126,72.6 135.9,72.6 135.9,75.3 126.7,75.3 126.041,74.641 ccw(c126.383,74.3) 125.9,74.3 125.9,72.5
+5V on Top Layer "+5V_L01_P006" (solid, pour order 6): 98.7,73.1 109.5,73.1 109.5,75.3 110.1,75.3 110.4,75 110.4,74.2 111.2,74.2 111.2,75.4 111.3,75.5 112.4,75.5 112.4,74.3 113,74.3 113,75 113.5,75.5 113.5,77.4 113.5,76.8 98.7,76.8
+VIN_FILT on Top Layer "+VIN_FILT_L01_P001" (solid, pour order 1): 97.3,81 97.6,81.3 97.6,81.4 99.7,81.4 99.7,85.7 99.2,85.7 99.2,88.1 95.7,88.1 95.7,81.6 96.3,81 97.5,81
+3V3 on Top Layer "+3V3_L01_P007" (solid, pour order 7): 112.1,71 117.6,71 117.6,73.5 112.1,73.5
BUCK_BOOT on Top Layer "BUCK_BOOT_L01_P004" (solid, pour order 4): 94.2,76.7 95.9,76.7 95.9,78.6 95.4,79.1 95.4,79.7 95.3,79.8 94.2,79.8
BUCK_SW on Top Layer "BUCK_SW_L01_P003" (solid, pour order 3): 96.4,78.6 96.4,76.7 97.9,76.7 98.8,77.6 102.4,77.6 102.4,78.6
BUCK_SW on Top Layer "BUCK_SW_L01_P002" (solid, pour order 2): 96.5,80 97.7,80 98.8,78.9 98.8,78 102.4,78 102.4,81.1 97.9,81.1 97.6,80.8 96.5,80.8
+VIN on Top Layer "+VIN_L01_P000" (solid, pour order 0): 136,84.9 136,90.75 99.6,90.75 99.6,85.9 121.8,85.9 121.8,86.9 124.6,86.9 124.6,84.1 127.5,84.1 127.5,84.9
GND on Int2 (PWR) "GND_L03_P031" (solid, pour order 31): 69.085,90.725 cw(c69.025,90.786) 69.025,90.7 67.683,90.7 ccw(c67.683,90.017) 67.2,90.5 ccw(c67.683,90.017) 67,90.017 67,55.066 ccw(c68.366,55.066) 67.4,54.1 ccw(c68.366,55.066) 68.366,53.7 136.451,53.7 ccw(c136.451,55.749) 137.9,54.3 ccw(c137.176,55.024) 138.2,55.024 138.2,89.676 ccw(c137.176,89.676) 137.9,90.4 ccw(c137.176,89.676) 137.176,90.7 136.2,90.7
MOTOR_OUT2 on Int2 (PWR) "MOTOR_OUT2_L03_P028" (solid, pour order 28): 135.7,78 130.5,78 130.5,75.7 135.7,75.7
+5V on Int2 (PWR) "+5V_L03_P016" (solid, pour order 16): 105.9,82.4 129.75,82.4 129.75,71.9 135.8,71.9 135.8,69.2 135.9,69.1 128.6,69.1 128.6,74.4 128.4,74.6 105.9,74.6
MOTOR_OUT1 on Int2 (PWR) "MOTOR_OUT1_L03_P029" (solid, pour order 29): 135.7,75.3 130.5,75.3 130.5,73 135.7,73
+3V3 on Int2 (PWR) "+3V3_L03_P012" (solid, pour order 12): 115.2,59.5 74.187,59.5 74.185,59.498 74.2,59.484 74.2,57.6 67.2,57.6 67.2,63.7 67.5,63.7 115.2,63.7
+3V3 on Int2 (PWR) "+3V3_L03_P013" (solid, pour order 13): 95.2,71.1 115.2,71.1 115.2,63.7 95.3,63.7
+3V3 on Int2 (PWR) "+3V3_L03_P011" (solid, pour order 11): 115.2,73.3 115.2,58.9 125.8,58.9 125.7,73.2 125.7,73.3
+3V3 on Int2 (PWR) "+3V3_L03_P011" (solid, pour order 26): 125.6,58.9 132.1,58.9 132.1,57.3 135.8,57.3 135.7,57.4 135.7,59.7 132.617,59.7 132.5,61.1 132.5,62.9 125.6,62.9
+5V on Int2 (PWR) "+5V_L03_P014" (solid, pour order 14): 106,73.1 88.3,73.1 88.3,82 105.9,82
GND on Bottom Layer "GND_L04_P041" (solid, pour order 41): 67.6,90.7 ccw(c67.6,90.3) 67.2,90.3 ccw(c67.683,89.817) 67,89.817 67,54.924 ccw(c68.024,54.924) 67.3,54.2 ccw(c68.266,55.166) 68.266,53.8 136.834,53.8 ccw(c136.834,55.166) 137.8,54.2 ccw(c136.834,55.166) 138.2,55.166 138.2,89.534 ccw(c136.834,89.534) 137.8,90.5 ccw(c137.317,90.017) 137.317,90.7 136.6,90.7
MOTOR_OUT2 on Bottom Layer "MOTOR_OUT2_L04_P037" (solid, pour order 37): 135.7,78.05 130.5,78.05 130.5,75.75 135.7,75.75
MOTOR_OUT1 on Bottom Layer "MOTOR_OUT1_L04_P036" (solid, pour order 36): 135.7,75.3 130.5,75.3 130.5,73 135.7,73
GND on Int1 (GND) "GND_L02_P022" (solid, pour order 22): 67.641,90.7 ccw(c67.641,90.359) 67.4,90.6 67.212,90.412 ccw(c67.724,89.9) 67,89.9 67,54.924 ccw(c68.024,54.924) 67.3,54.2 ccw(c68.266,55.166) 68.266,53.8 136.934,53.8 ccw(c136.934,55.166) 137.9,54.2 ccw(c137.176,54.924) 138.2,54.924 138.2,89.717 ccw(c137.517,89.717) 138,90.2 ccw(c136.793,88.993) 136.793,90.7 136.5,90.7

## Other copper
Top Layer:
  pour cut-out: 78.9,62.7 79,62.6 79,56.1 81.3,53.8 106.2,53.8 107,54.6 107,62.3 108.4,63.7 108.4,67.6 107.6,68.4 105.2,68.4 103,66.2 103,63.1 103.8,62.3 103.8,60.9 95.735,60.9 81.5,60.9 81.5,62.7 81,63.2 79.2,63.2 79.2,63
  pour cut-out: 82.7,62.7 82.7,58.8 83.8,57.7 89.3,57.7 90.7,59.1 90.7,60.416 92.7,60.416 96.2,60.416 97.016,60.416 100,60.416 103.785,60.416 107.122,68.863 105.884,70.1 92,70.1 88.6,66.7 88.6,62.2 87.3,60.9 86.4,60.9 85.6,61.7 85.6,62.7 82.9,62.7
  pour cut-out: 110.6,66.7 110.6,58.1 112.7,56 118.2,56 119.4,57.2 119.4,62.1 114.4,67.1 114.4,68.1 110.6,68.1 110.5,68.2
  pour cut-out: 98,65.2 98.1,65.1 98.1,60.6 98.5,60.2 100.3,60.2 101.2,61.1 101.2,65.2

## Silkscreen, mask and mechanical layers (free items; w line width, h text height)
Bottom Overlay:
  text "GPIO0" at 72.485,88.905 h1.52 r180
  text "TX" at 77.579,88.905 h1.52 r180
  text "RX" at 82.359,88.905 h1.52 r180
  text "+VIN" at 133.041,88.112 h1.52
  text "+VIN" at 133.241,85.612 h1.52
  text "GND" at 75.959,83.405 h1.52 r180
  text "EN" at 80.059,83.405 h1.52 r180
  text "GND" at 133.241,82.895 h1.52
  text "GND" at 133.241,78.895 h1.52
  text "MOTOR OUT 2" at 133.148,76.25 h1.52
  text "MOTOR OUT 1" at 133.248,73.55 h1.52
  text "+5V" at 133.141,69.895 h1.52
  text "ENC A" at 133.141,67.295 h1.52
  text "ENC B" at 133.241,64.695 h1.52
  text "MD B" at 115.305,62.621 h1.52 r90
  text "MD A" at 118.005,62.421 h1.52 r90
  text "ENC C" at 133.141,60.795 h1.52
  text "GND" at 119.495,58.979 h1.52 r270
  text "NTC" at 125.795,58.859 h1.52 r270
  text "+3V3" at 133.221,58.295 h1.52
  text "GND" at 133.221,55.695 h1.52
Mechanical 1:
  lines w0.254: 67,55 ccw(c68.25,55) 68.25,53.75 70.25,53.75 72.52,53.75 136.793,53.75 ccw(c136.793,55.457) 138,54.25 ccw(c137.396,54.854) 138.25,54.854 138.25,88.939 138.25,89.646 ccw(c137.396,89.646) 138,90.25 ccw(c136.793,89.043) 136.793,90.75 135.5,90.75 69.52,90.75 67.75,90.75 ccw(c67.75,90) 67,90 67,89 67,79.393 67,58.707 67,57.104 67,55.75 67,55 ; 70.25,55.835 70.375,55.835 70.25,55.835

## Text inside footprints (layer, text, board x,y; h text height)
D1401: Mechanical 13 "+" at 94.201,70.01 h1 r180; Top Overlay "+" at 93.751,70.51 h1 r180
U601: Mechanical 13 "ANTENNA / KEEP-OUT" at 66.634,62.632 h2 r90; Top Overlay "ANTENNA" at 70.425,67.064 h1 r90